# Altium PCB Dashcam_V2.0B.PcbDoc (part 1 of 8) (continued)
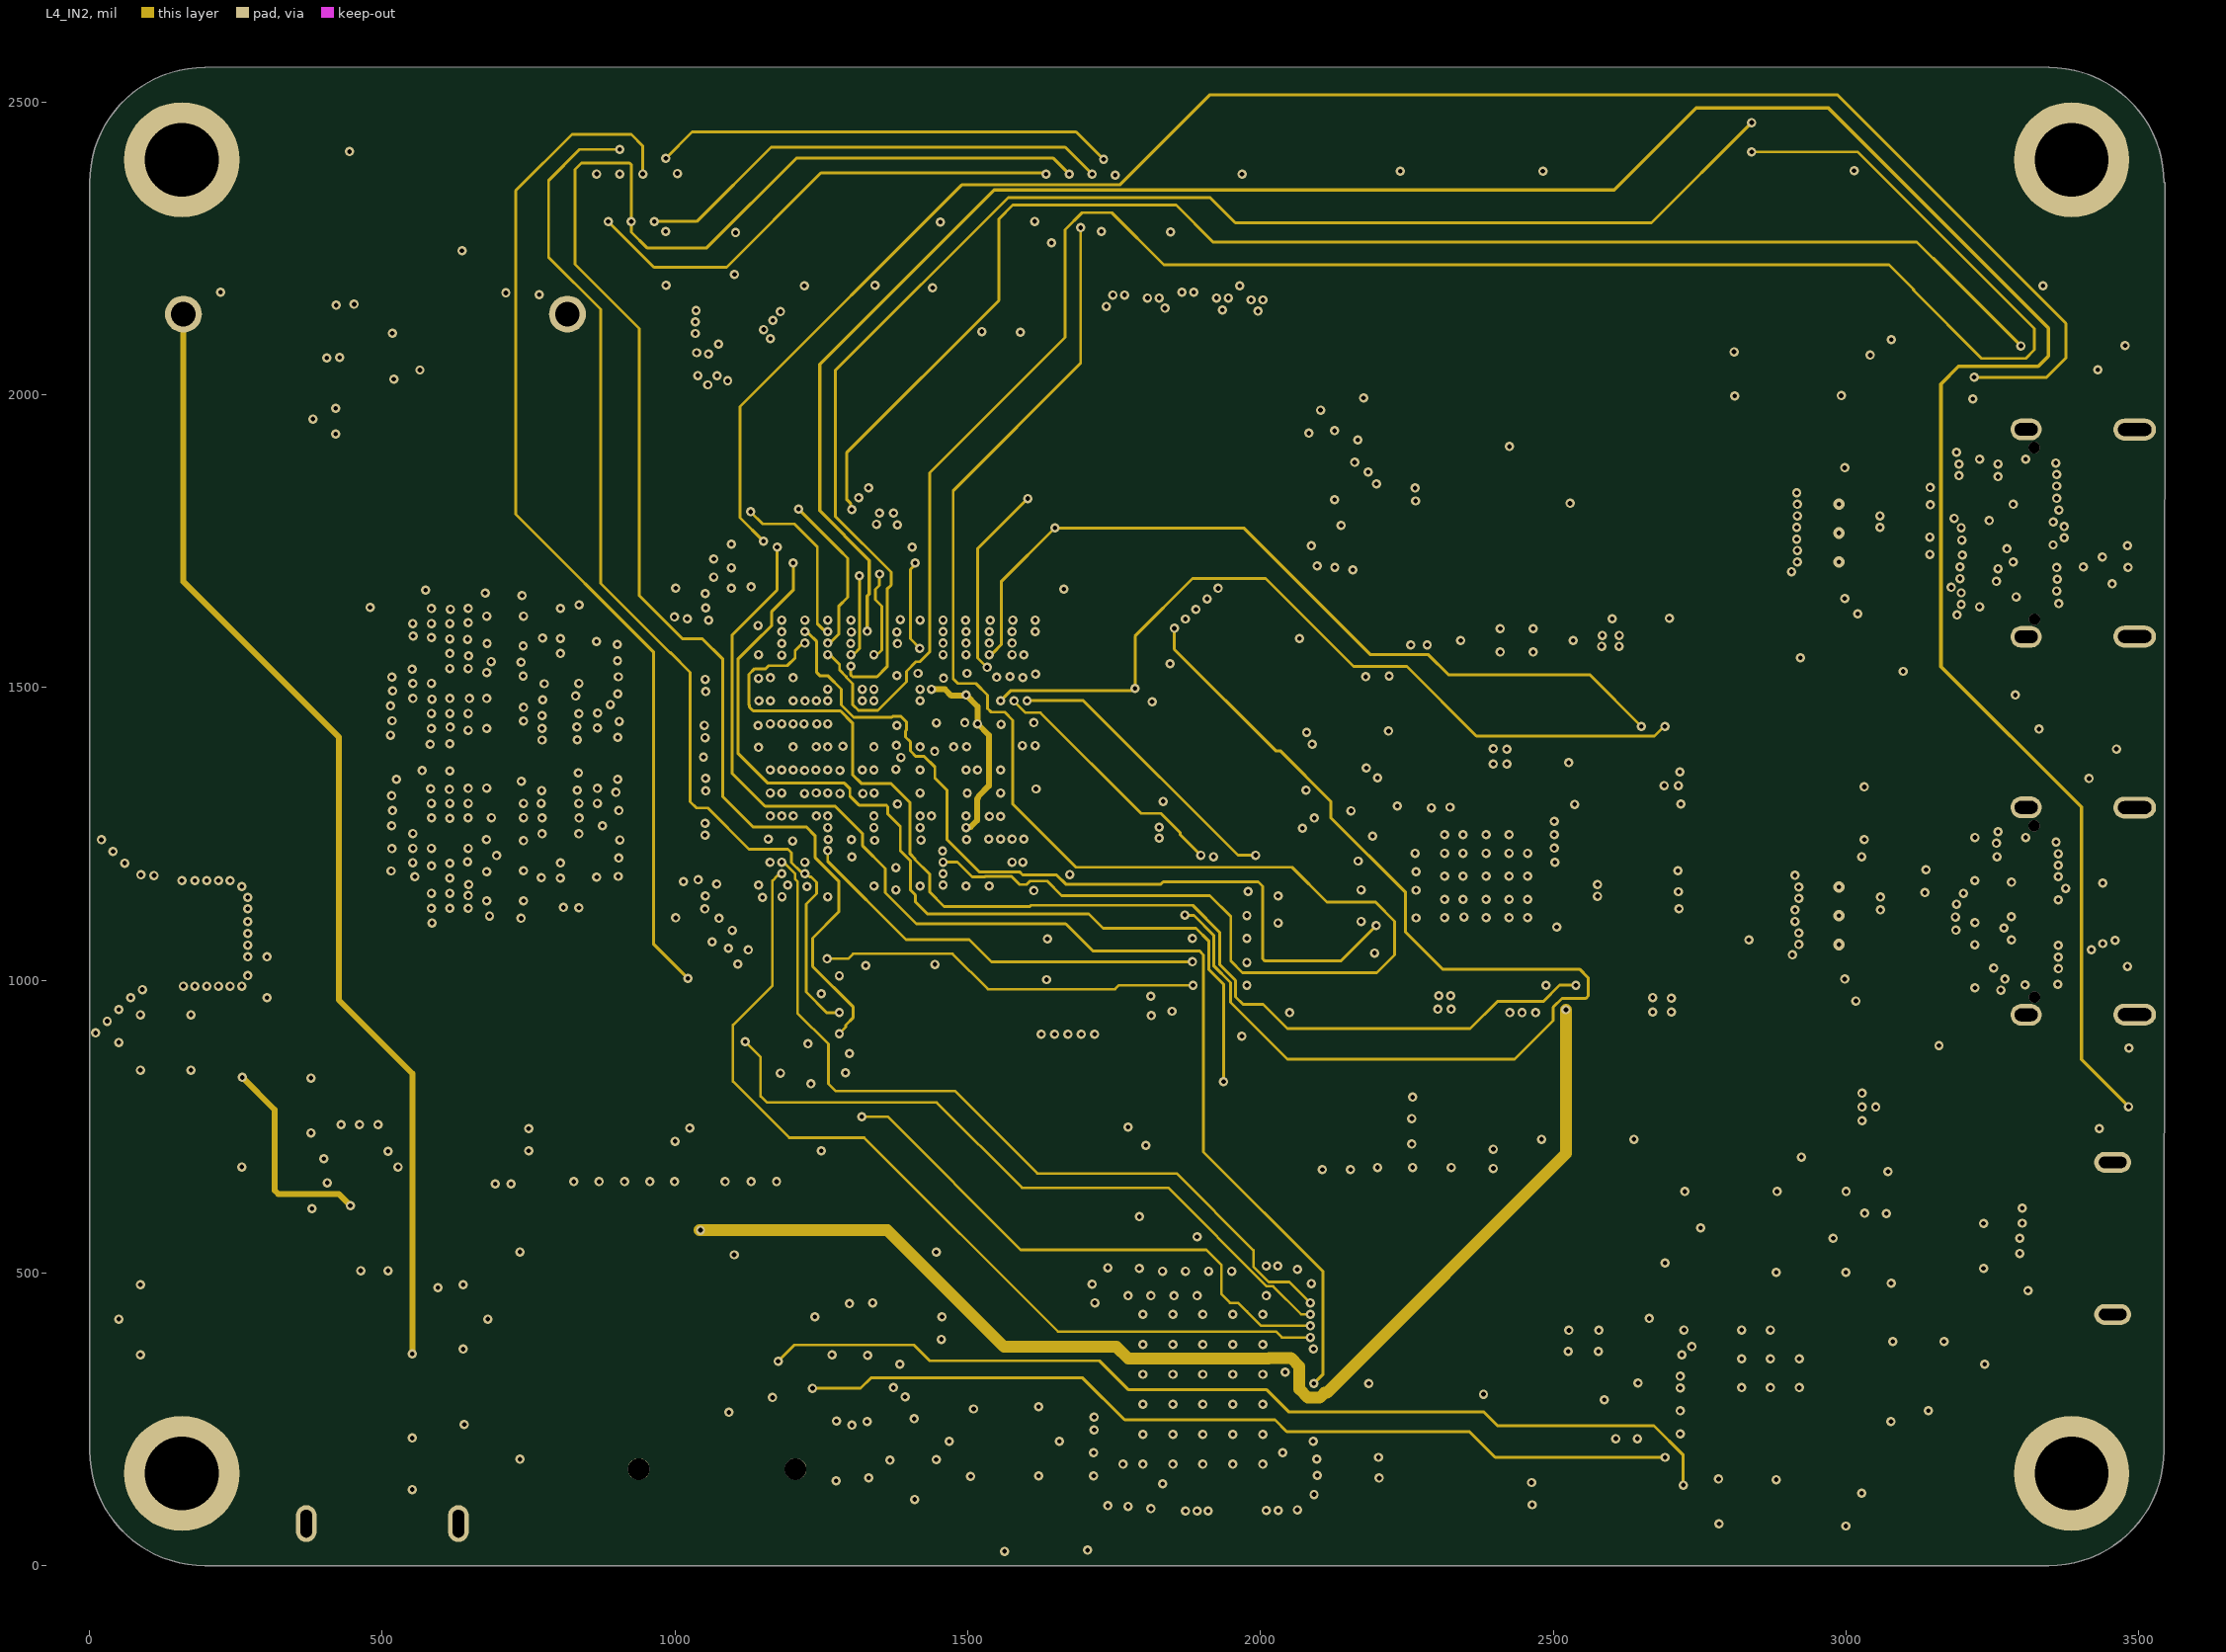
[diagram p4: L4_IN2]
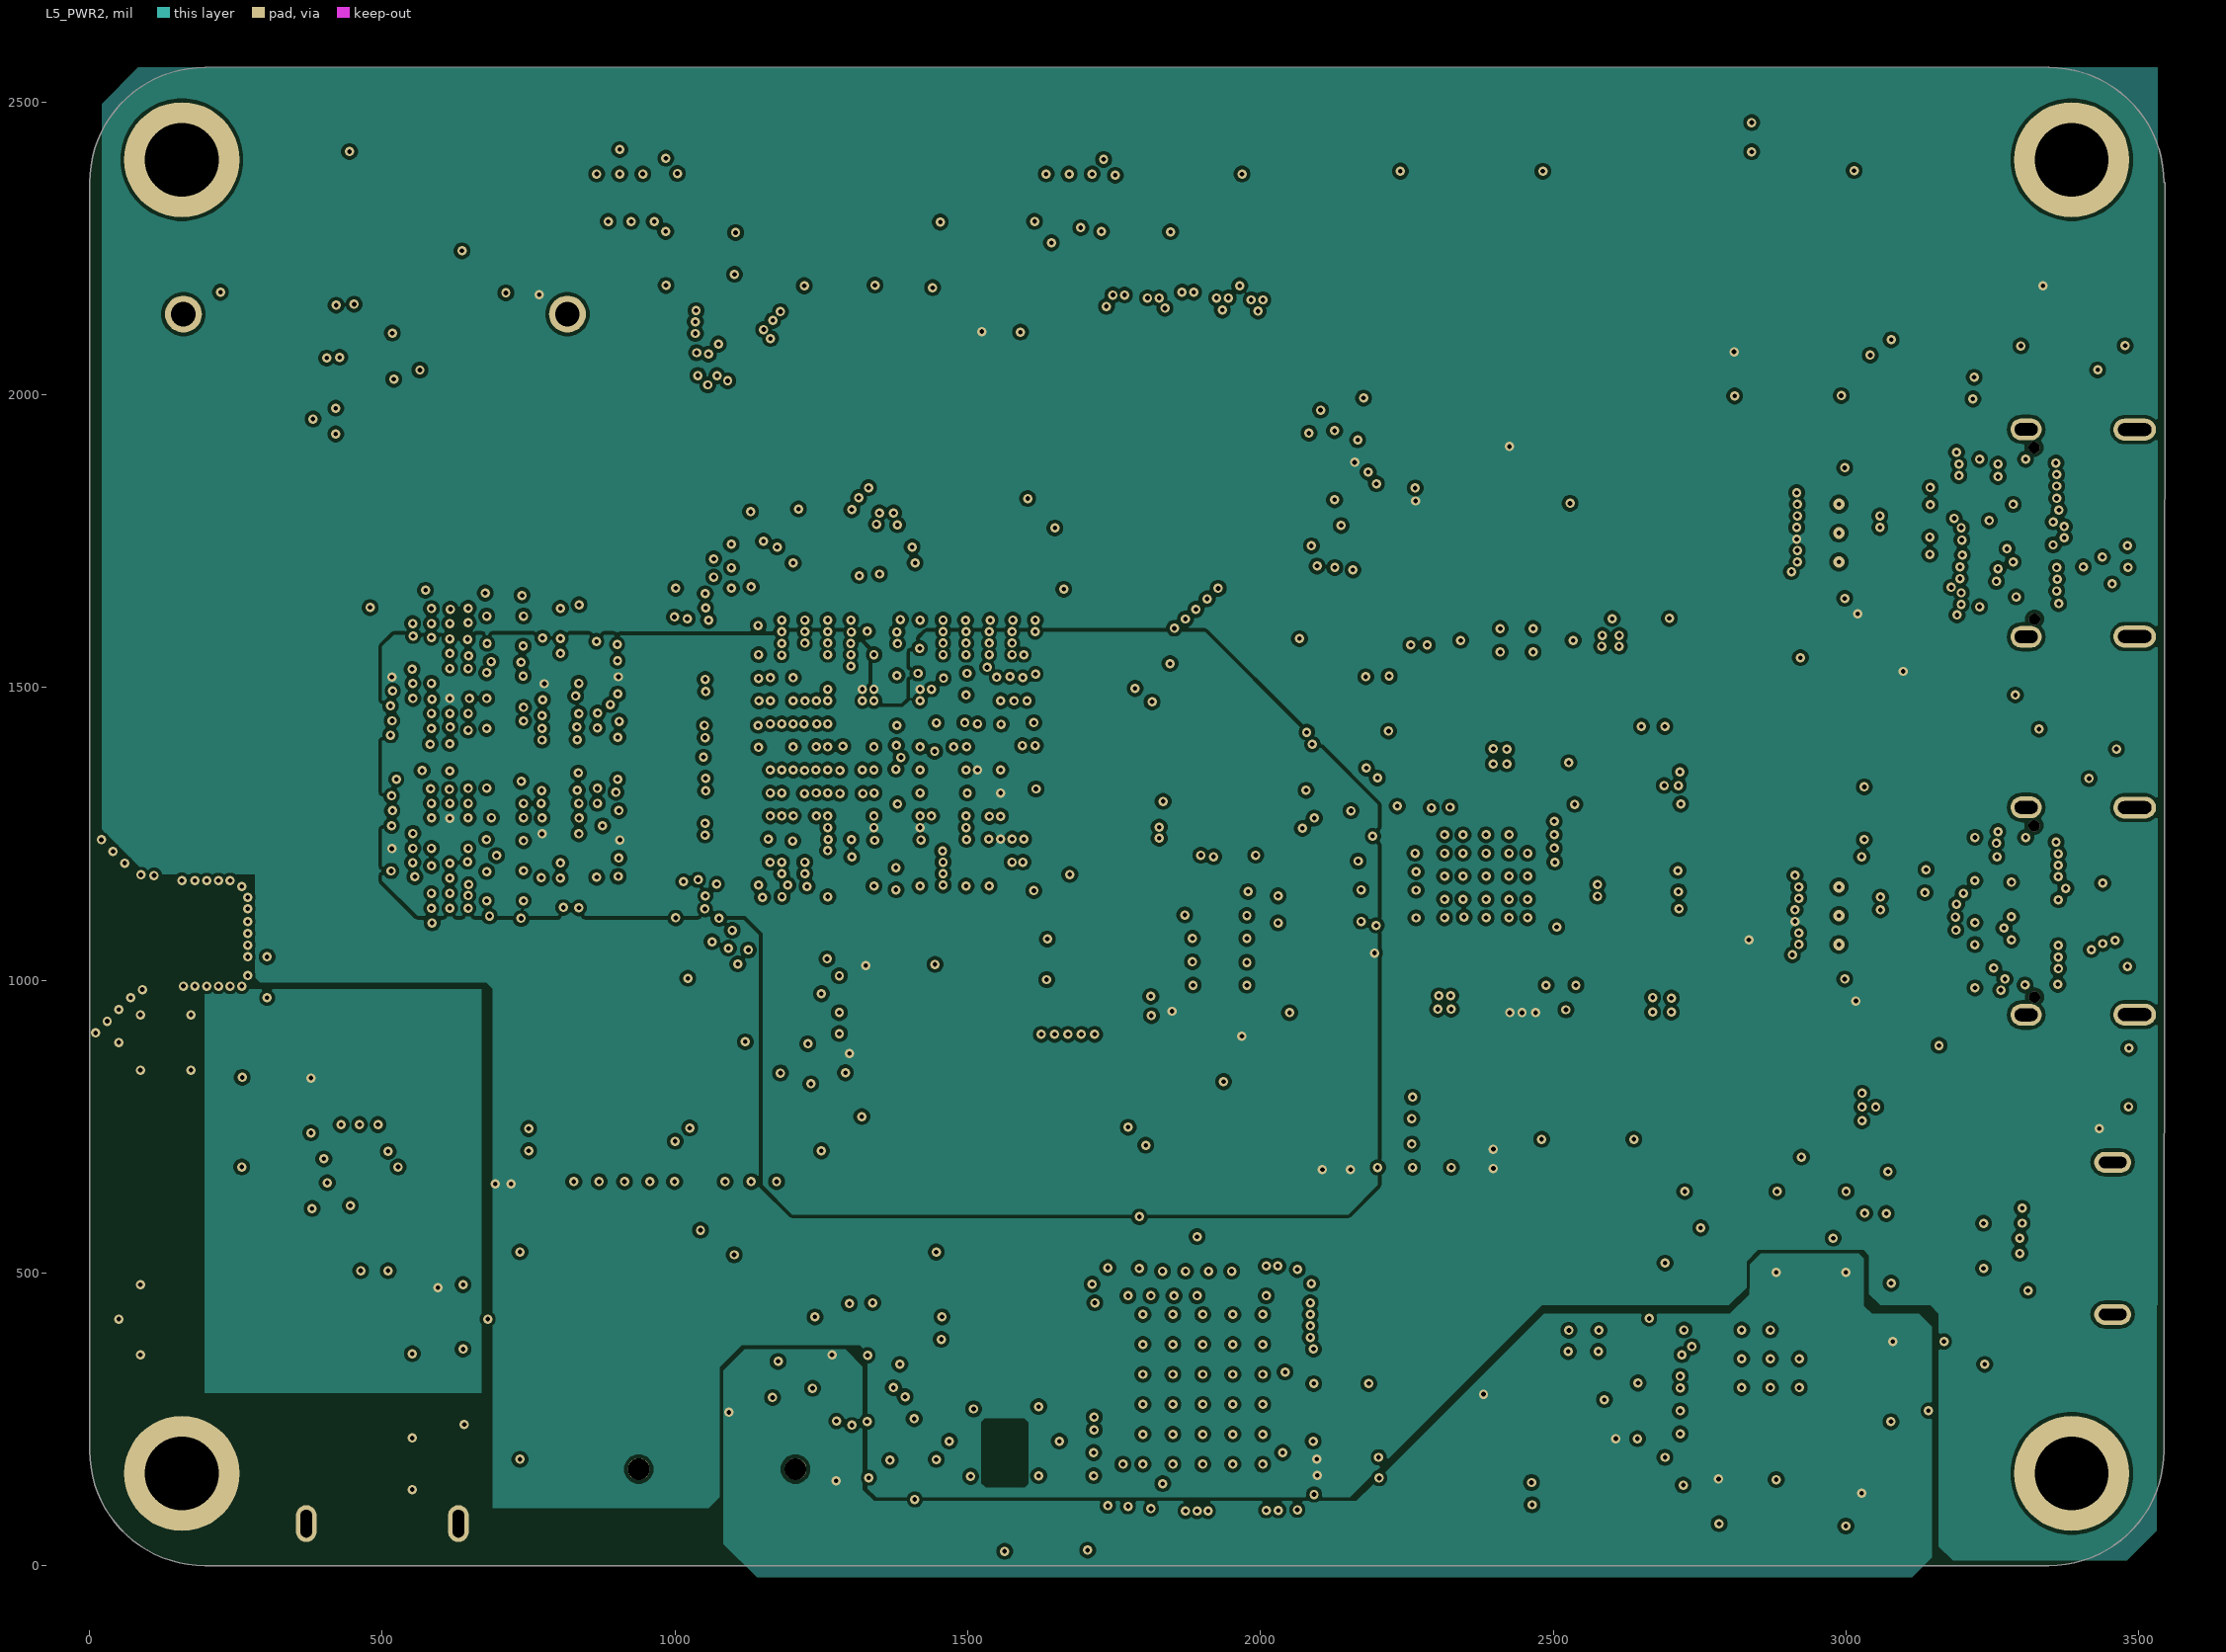
[diagram p5: L5_PWR2]
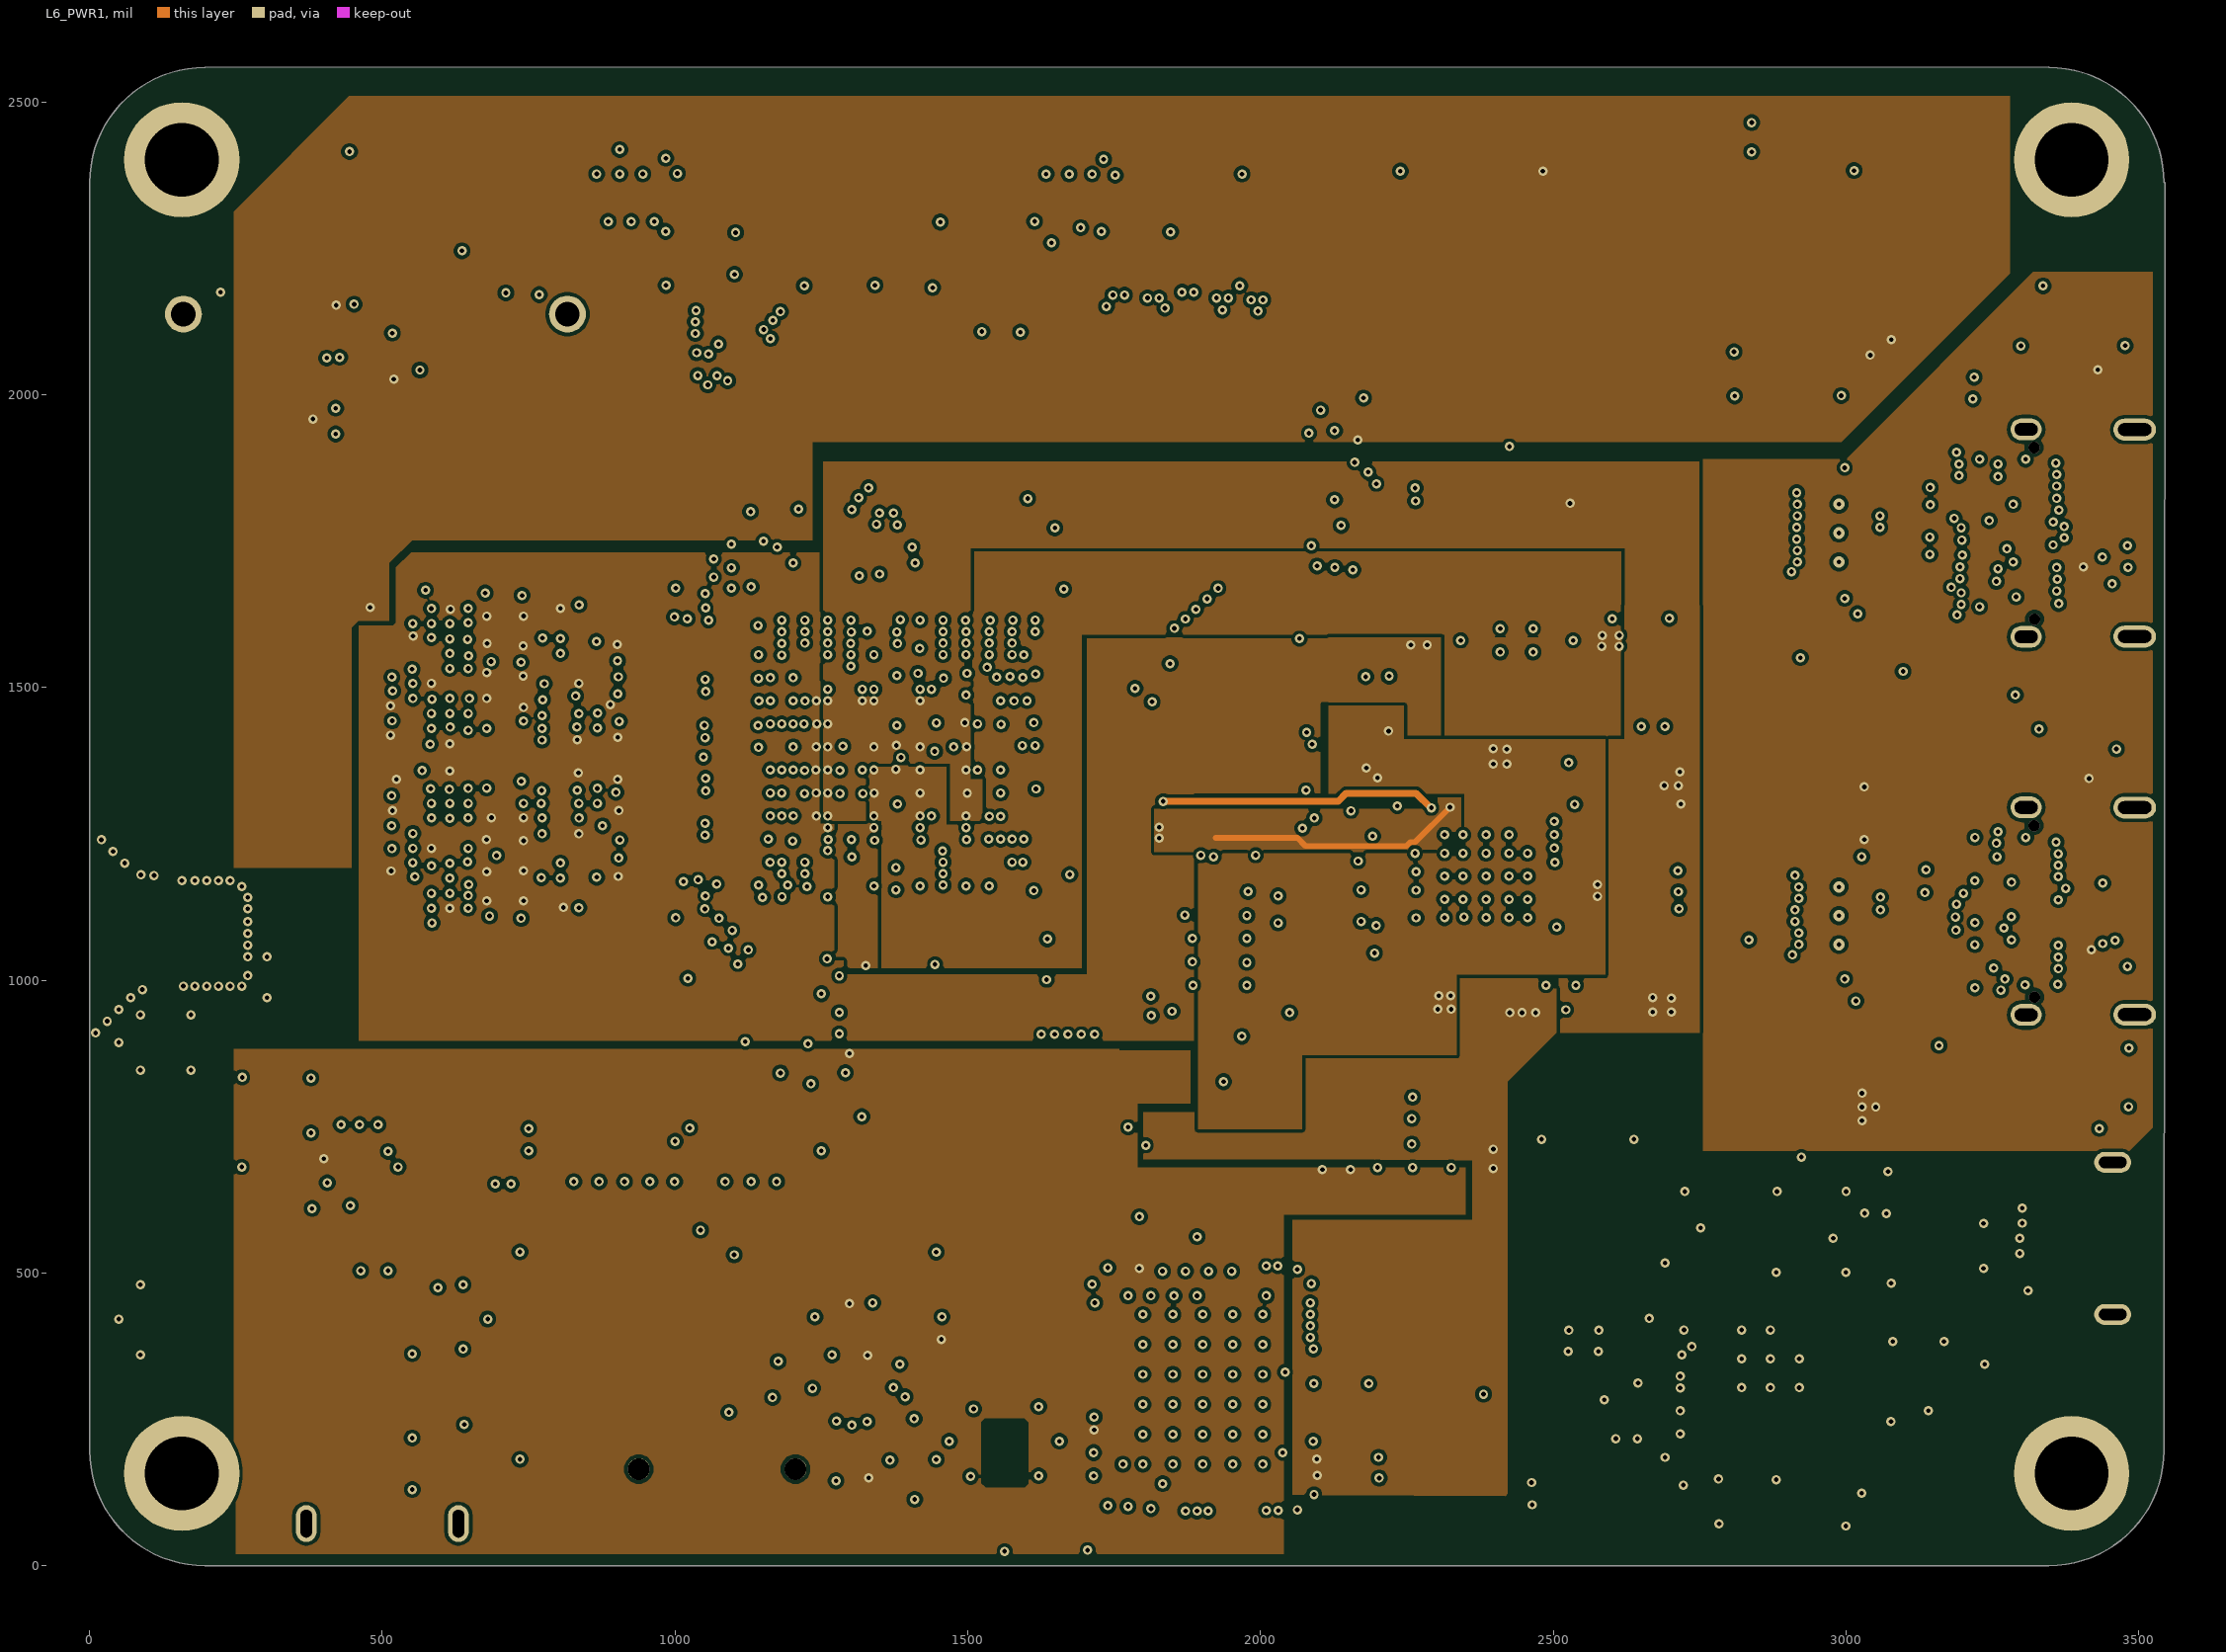
[diagram p6: L6_PWR1]